# Altium PCB X98_CARRIER_V1R2_12082022.PcbDoc (part 2 of 10)
Units mm, origin at the board's own origin, x right, y up, seen from the top; angles counter-clockwise.
Board outline 100 x 72 mm, 4 copper layers (Top Layer, Layer 1, Layer 2, Bottom Layer), stack 1.543 mm thick; 772 components, 527 nets, 2344 pads, 1194 vias.
Unrouted connection lines stored in the file: 58.
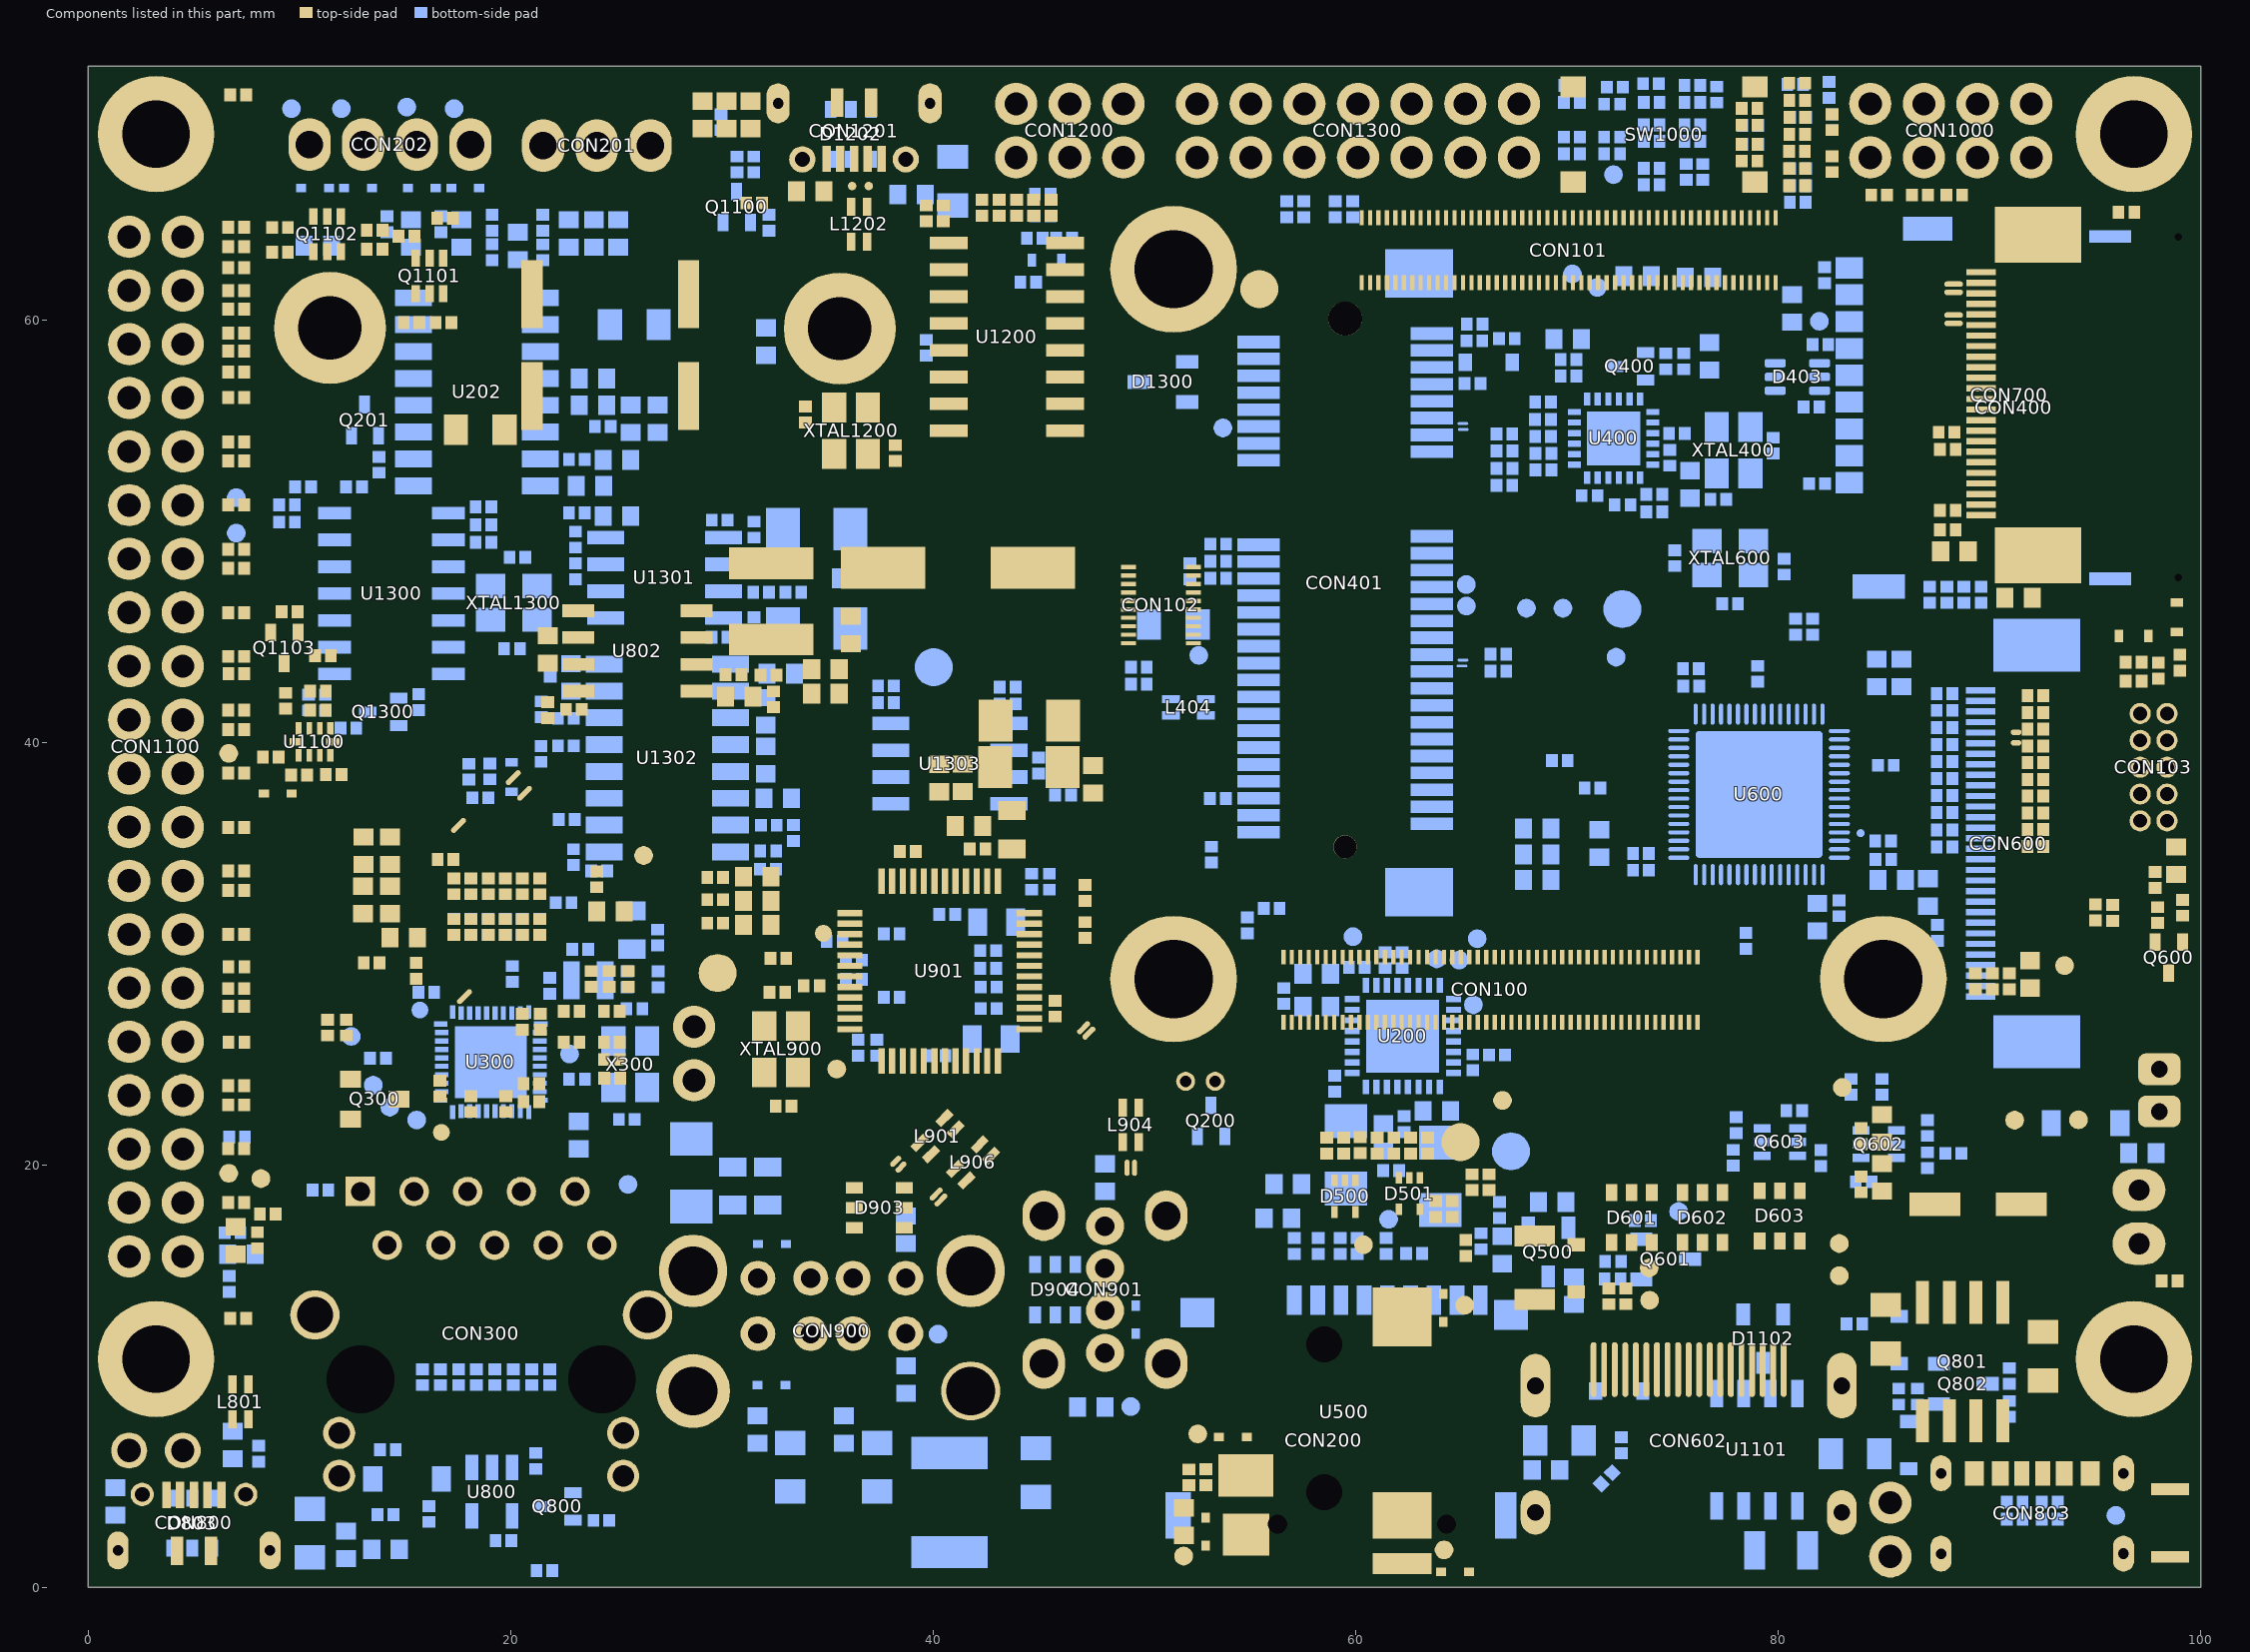
[diagram p4: the components of this part, seen from the top]

## Components (designator, comment, footprint, x,y, rotation, side; value= is the part's Value field where it differs from the comment) (continued)
R332 "4.7K" 0402_RES#1 17.323,31.267 r270 top
R333 "4.7K-NF" 0402_RES#1 17.323,31.262 r90 bottom
R334 "4.7K" 0402_RES#1 18.136,31.267 r270 top
R335 "4.7K-NF" 0402_RES#1 18.136,31.262 r90 bottom
R336 "4.7K" 0402_RES#1 20.574,31.267 r270 top
R337 "4.7K-NF" 0402_RES#1 20.574,31.262 r90 bottom
R338 "4.7K" 0402_RES#1 11.303,26.492 r90 top
R339 "10K" 0402_RES#1 12.192,26.492 r90 top
R340 "1.5K" 0402_RES#2 13.716,25.044 r0 bottom
R341 "4.7K" 0402_RES#2 19.741,31.262 r270 top
R342 "4.7K -NF" 0402_RES#2 19.736,31.267 r90 bottom
R343 "4.7K" 0402_RES#2 18.928,31.262 r270 top
R344 "4.7K -NF" 0402_RES#2 18.923,31.267 r90 bottom
R345 "0R" 0603_RES#3 13.03,34.874 r270 top
R346 "0R" 0603_RES#3 14.275,34.874 r270 top
R347 "0R-NF" 0603_RES#3 14.935,30.759 r180 top
R348 "0R" 0402_RES#2 13.411,29.566 r0 top
R400 "0402 330R 5%" 0402_RES#1 29.681,33.595 r180 top locked
R401 "0402 330R 5%" 0402_RES#1 29.681,32.533 r180 top locked
R402 "0402 330R 5%" 0402_RES#1 29.681,31.426 r180 top locked
R403 "15K" 0402_RES#1 82.004,58.849 r180 bottom
R404 "0R" 0402_RES#1 67.158,59.141 r180 bottom
R405 "47OHM" 0402_RES#1 81.572,55.852 r0 bottom
R407 "15K" 0402_RES#1 82.215,62.113 r90 bottom
R408 "47K" 0402_RES#1 53.487,49.367 r0 bottom
R409 "0402 330R 5%" 0402_RES#1 53.498,48.6 r180 bottom
R410 "100K" 0402_RES#1 65.64,59.827 r180 bottom
R411 "10K" 0402_RES#1 52.137,48.104 r270 bottom
R412 "0402 330R 5%" 0402_RES#1 65.614,58.989 r0 bottom
R413 "0402 330R 5%" 0402_RES#1 53.498,47.787 r180 bottom
R414 "0402 330R 5%" 0402_RES#1 65.525,56.961 r0 bottom
R415 "0R" 0402_RES#1 68.893,52.914 r180 bottom
R416 "0R" 0402_RES#1 68.893,53.706 r180 bottom
R417 "0R" 0402_RES#1 67.043,52.949 r0 bottom
R418 "0R" 0402_RES#1 67.043,53.767 r0 bottom
R419 "0R" 0402_RES#1 68.871,55.306 r180 bottom
R420 "0R" 0402_RES#1 68.881,56.124 r180 bottom
R421 "10K" 0402_RES#1 74.664,58.044 r270 bottom
R425 "49.9 OHM 1%  0402" 0402_RES#1 67.042,52.182 r180 bottom
R426 "49.9 OHM 1%  0402" 0402_RES#1 67.042,54.62 r180 bottom
R427 "10K" 0402_RES#1 75.559,58.033 r90 bottom
R428 "0R" 0402_RES#2 49.733,43.561 r0 bottom
R429 "0R" 0402_RES#2 49.733,42.748 r0 bottom
R500 "47K" 0402_RES#1 66.828,17.856 r90 bottom
R501 "47K" 0402_RES#1 58.243,16.154 r90 bottom
R502 "47K" 0402_RES#1 62.775,15.834 r180 bottom
R503 "47K" 0402_RES#1 65.952,16.381 r90 bottom
R504 "47K" 0402_RES#1 57.104,16.154 r90 bottom
R505 "47K" 0402_RES#1 59.281,16.154 r90 bottom
R506 "47K" 0402_RES#1 65.193,16.063 r90 top
R507 "22R %5 0402" 0402_RES#1 62.626,20.919 r270 top locked
R508 "22R %5 0402" 0402_RES#1 63.421,20.919 r270 top locked
R509 "22R %5 0402" 0402_RES#1 61.831,20.919 r270 top locked
R510 "22R %5 0402" 0402_RES#1 61.036,20.919 r270 top locked
R511 "22R %5 0402" 0402_RES#1 60.241,20.944 r270 top
R512 "22R %5 0402" 0402_RES#3 59.404,20.919 r270 top locked
R513 "22R %5 0402" 0402_RES#1 58.651,20.919 r270 top locked
R514 "100K" 0402_RES#1 60.051,16.165 r270 bottom
R600 "510K" 0402_RES#1 77.714,46.532 r0 bottom
R604 "0R" 0402_RES#1 87.56,30.981 r90 bottom
R605 "0R" 0402_RES#1 87.875,42.295 r0 bottom
R606 "0R" 0402_RES#1 92.186,42.187 r180 top locked
R607 "0R" 0402_RES#1 87.875,41.492 r0 bottom
R608 "0R" 0402_RES#1 92.186,41.394 r180 top locked
R609 "3K 1% 0402" 0402_RES#1 84.976,34.432 r0 bottom
R610 "3K 1% 0402" 0402_RES#1 84.976,35.347 r180 bottom
R611 "100K" 0402_RES#1 72.588,6.719 r90 bottom
R612 "100K" 0402_RES#1 71.869,5.183 r225 bottom
R619 "10K" 0402_RES#1 99.168,32.175 r270 top locked
R620 "0R" 0402_RES#1 72.803,13.788 r270 top locked
R621 "0R" 0402_RES#1 72.01,13.788 r270 top locked
R623 "100K" 0402_RES#1 72.168,14.615 r180 bottom
R624 "100K" 0402_RES#1 72.193,15.448 r180 bottom
R625 "10K" 0402_RES#1 87.097,21.742 r90 bottom
R626 "10K" 0402_RES#1 84.938,23.69 r90 bottom
R627 "100K" 0402_RES#1 73.588,17.34 r0 bottom
R628 "10K" 0402_RES#1 87.055,20.228 r270 bottom
R629 "10K" 0402_RES#1 84.049,19.177 r0 bottom
R630 "10K" 0402_RES#1 77.851,20.345 r270 bottom
R631 "10K" 0402_RES#1 82.041,20.319 r90 bottom
R632 "10K" 0402_RES#1 80.855,45.47 r90 bottom
R633 "10K" 0402_RES#1 78.028,21.873 r90 bottom
R634 "10K" 0402_RES#1 80.768,22.589 r180 bottom
R635 "0R" 0402_RES#1 87.875,40.675 r0 bottom
R636 "0R" 0402_RES#1 92.186,40.602 r180 top locked
R637 "0R" 0402_RES#1 87.875,39.873 r0 bottom
R638 "0R" 0402_RES#1 92.186,39.809 r180 top locked
R639 "0R" 0402_RES#1 87.875,39.07 r0 bottom
R640 "0R" 0402_RES#1 92.186,39.017 r180 top locked
R641 "0R" 0402_RES#1 87.875,38.267 r0 bottom
R642 "0R" 0402_RES#1 92.186,38.225 r180 top locked
R643 "0R" 0402_RES#1 87.875,37.464 r0 bottom
R644 "0R" 0402_RES#1 92.186,37.432 r180 top locked
R645 "0R" 0402_RES#1 87.875,36.661 r0 bottom
R646 "0R" 0402_RES#1 92.186,36.64 r180 top locked
R647 "0R" 0402_RES#3 87.875,35.869 r0 bottom
R648 "0R" 0402_RES#1 92.186,35.848 r180 top locked
R649 "0R" 0402_RES#3 87.875,35.067 r0 bottom
R650 "0R" 0402_RES#1 92.186,35.055 r180 top locked
R701 "0R" 0402_RES#1 88.036,53.852 r180 top locked
R702 "0R" 0402_RES#2 88.798,46.99 r270 bottom
R703 "0R-NF" 0402_RES#2 89.611,46.99 r270 bottom
R704 "0R" 0402_RES#2 87.986,46.99 r270 bottom
R705 "0R-NF" 0402_RES#2 87.173,46.99 r270 bottom
R800 "10K" 0402_RES#1 8.077,6.325 r90 bottom
R801 "1K" 0402_RES#1 14.058,3.426 r0 bottom
R802 "19K 0402" 0402_RES#1 14.173,6.502 r0 bottom
R803 "10K" 0402_RES#1 21.164,5.99 r270 bottom
R804 "10K-NF" 0402_RES#1 24.282,3.15 r0 bottom
R805 "10K" 0402_RES#1 19.66,2.235 r180 bottom
R806 "270 OHM" 0603_RES#1 97.255,20.565 r0 bottom
R807 "4.7K" 0402_RES#1 92.868,4.054 r180 bottom
R808 "4.7K" 0402_RES#1 91.191,4.013 r0 bottom
R809 "0402 2K2 1%" 0402_RES#1 85.686,9.039 r270 bottom
R810 "4.7K" 0402_RES#1 90.928,8.455 r270 bottom
R811 "4.7K" 0402_RES#1 92.856,3.209 r0 bottom
R812 "4.7K" 0402_RES#1 91.202,3.251 r180 bottom
R813 "0402 330R 5%" 0402_RES#1 30.552,43.185 r180 top
R814 "24.9K 1% 0402" 0402_RES#1 22.982,41.585 r0 top
R815 "4.7K" 0402_RES#1 86.575,9.039 r270 bottom
R816 "4.99K %1" 0603_RES#1 30.806,42.169 r180 top
R817 "7.87K 1% 0402" 0402_RES#1 21.721,41.524 r90 top
R818 "4.7K" 0402_RES#1 90.969,10.004 r90 bottom
R819 "10K" 0805#2 83.642,6.325 r0 bottom
R820 "1K" 0402_RES#1 83.908,19.072 r90 top
R821 "1K" 0402_RES#2 21.59,0.787 r0 bottom
R900 "10K" 0402_RES#1 38.786,34.849 r0 top
R901 "10K" 0402_RES#1 47.168,32.868 r90 top
R902 "100K" 0402_RES#1 47.168,31.115 r90 top
R903 "100K" 0402_RES#1 45.517,33.401 r90 bottom
R904 "100K" 0402_RES#1 44.679,33.401 r90 bottom
R905 "0R-NF" 0402_RES#1 34.239,28.499 r0 top
R906 "2.7K" 0402_RES#1 45.791,27.406 r270 top
R907 "0R-NF" 0402_RES#2 32.664,29.769 r0 top
R908 "0R-NF" 0402_RES#2 35.331,30.582 r180 bottom
R909 "0R-NF" 0402_RES#2 36.246,29.693 r180 bottom
R910 "0R" 0402_RES#2 36.246,28.778 r0 bottom
R1000 "4.7K" 0402_RES#1 72.259,70.997 r0 bottom
R1001 "4.7K" 0402_RES#1 75.621,67.007 r270 bottom
R1002 "4.7K" 0402_RES#1 70.232,68.635 r0 bottom
R1003 "100K" 0402_RES#1 72.144,70.235 r180 bottom
R1004 "100K" 0402_RES#1 76.455,66.996 r90 bottom
R1005 "100K" 0402_RES#1 70.243,67.88 r180 bottom
R1006 "4.7K" 0402_RES#1 74.003,67.162 r0 bottom
R1007 "4.7K" 0402_RES#1 75.933,68.423 r0 bottom
R1008 "4.7K" 0402_RES#1 74.003,69.219 r0 bottom
R1009 "100K" 0402_RES#1 74.014,66.411 r180 bottom
R1010 "100K" 0402_RES#1 75.944,69.26 r180 bottom
R1011 "100K" 0402_RES#1 74.014,68.464 r180 bottom
R1012 "4.7K" 0402_RES#1 80.937,67.141 r0 bottom
R1013 "4.7K" 0402_RES#1 78.676,69.182 r0 bottom
R1014 "4.7K" 0402_RES#1 80.804,71.13 r0 bottom
R1015 "4.7K" 0402_RES#1 72.132,68.635 r0 bottom
R1016 "4.7K" 0402_RES#1 70.243,71.073 r0 bottom
R1017 "4.7K" 0402_RES#1 75.933,71.073 r0 bottom
R1018 "100K" 0402_RES#1 82.439,70.883 r90 bottom
R1019 "4.7K" 0402_RES#1 80.95,69.564 r0 bottom
R1020 "100K" 0402_RES#1 72.144,67.88 r180 bottom
R1021 "100K" 0402_RES#1 70.243,70.311 r180 bottom
R1022 "100K" 0402_RES#1 75.944,70.311 r180 bottom
R1023 "4.7K" 0402_RES#1 78.676,68.296 r0 bottom
R1024 "4.7K" 0402_RES#1 80.925,65.541 r0 bottom
R1025 "100K" 0402_RES#1 82.566,69.354 r90 bottom
R1026 "4.7K" 0402_RES#1 74.003,70.27 r0 bottom
R1027 "100K" 0402_RES#1 82.525,69.354 r90 top locked
R1028 "100K" 0402_RES#1 82.525,67.368 r90 top locked
R1029 "100K" 0402_RES#1 73.971,71.164 r0 bottom
R1030 "4.7K" 0402_RES#1 88.341,65.892 r180 top locked
R1031 "4.7K" 0402_RES#1 86.715,65.892 r180 top locked
R1032 "4.7K" 0402_RES#1 84.785,65.892 r180 top locked
R1033 "4.7K" 0402_RES#1 78.639,70.041 r0 top locked
R1034 "4.7K" 0402_RES#3 80.903,70.372 r0 top locked
R1035 "4.7K" 0402_RES#1 80.886,67.182 r0 top locked
R1036 "4.7K" 0402_RES#1 80.899,69.605 r0 top locked
R1037 "100K" 0402_RES#1 78.65,69.199 r180 top locked
R1038 "100K" 0402_RES#3 80.914,71.226 r180 top locked
R1039 "100K" 0402_RES#1 80.897,67.95 r180 top locked
R1040 "100K" 0402_RES#1 80.912,68.767 r180 top locked
R1041 "4.7K" 0402_RES#1 78.639,67.541 r0 top locked
R1042 "4.7K" 0402_RES#1 80.886,66.374 r0 top locked
R1043 "100K" 0402_RES#1 78.65,68.296 r180 top locked
R1044 "100K" 0402_RES#1 80.948,66.374 r180 bottom
R1100 "1K" 0402_RES#1 31.52,67.354 r90 bottom
R1101 "10K" 0402_RES#1 15.298,59.893 r0 top
R1102 "10K" 0402_RES#1 15.062,63.932 r180 top
R1103 "10K" 0402_RES#1 16.891,64.794 r180 top
R1104 "10K" 0402_RES#1 16.822,59.852 r180 top
R1105 "10K" 0402_RES#1 32.239,64.591 r90 bottom
R1106 "10K" 0402_RES#1 13.548,64.267 r0 top
R1107 "10K" 0402_RES#1 13.548,63.36 r0 top
R1108 "10K" 0402_RES#1 9.075,63.192 r180 top
R1109 "10K" 0402_RES#1 9.075,64.352 r180 top
R1110 "0402 330R 5%" 0402_RES#1 7.006,18.191 r180 top locked
R1111 "0402 330R 5%" 0402_RES#1 7.006,20.75 r180 top locked
R1112 "0402 330R 5%" 0402_RES#1 7.006,23.732 r180 top locked
R1113 "0402 330R 5%" 0402_RES#1 6.995,22.859 r0 top locked
R1114 "0402 330R 5%" 0402_RES#1 7.006,25.83 r0 top locked
R1115 "0402 330R 5%" 0402_RES#1 6.995,27.523 r0 top locked
R1116 "0402 330R 5%" 0402_RES#1 7.017,29.347 r180 top locked
R1117 "0402 330R 5%" 0402_RES#1 6.995,28.37 r0 top locked
R1118 "0402 330R 5%" 0402_RES#1 7.006,30.889 r180 top locked
R1119 "0402 330R 5%" 0402_RES#1 7.006,33.886 r180 top locked
R1120 "0402 330R 5%" 0402_RES#1 6.995,33.018 r0 top locked
R1121 "0402 330R 5%" 0402_RES#1 6.995,35.99 r0 top locked
R1122 "10K" 0402_RES#1 8.634,39.32 r0 top locked
R1123 "0402 330R 5%" 0402_RES#1 7.006,38.53 r180 top locked
R1124 "0402 330R 5%" 0402_RES#1 7.006,41.506 r180 top locked
R1125 "0402 330R 5%" 0402_RES#1 6.995,40.633 r0 top locked
R1126 "10K" 0402_RES#1 9.362,41.971 r270 top locked
R1127 "0402 330R 5%" 0402_RES#1 7.006,44.047 r180 top locked
R1128 "0402 330R 5%" 0402_RES#1 6.998,43.273 r0 top locked
R1129 "0402 330R 5%" 0402_RES#1 6.995,48.258 r0 top locked
R1130 "0402 330R 5%" 0402_RES#1 7.006,49.118 r180 top locked
R1131 "0402 330R 5%" 0402_RES#1 6.995,46.15 r0 top locked
R1132 "240 R" 0402_RES#1 9.973,38.477 r0 top locked
R1133 "0402 330R 5%" 0402_RES#1 7.006,51.23 r180 top locked
R1134 "0402 330R 5%" 0402_RES#1 7.006,54.209 r180 top locked
R1135 "0402 330R 5%" 0402_RES#1 6.995,53.339 r0 top locked
R1136 "0402 330R 5%" 0402_RES#1 7.006,56.31 r180 top locked
R1137 "0402 330R 5%" 0402_RES#1 6.995,57.555 r0 top locked
R1138 "0402 330R 5%" 0402_RES#1 7.006,59.358 r180 top locked
R1139 "0402 330R 5%" 0402_RES#1 7.006,58.499 r180 top locked
R1140 "0402 330R 5%" 0402_RES#1 6.995,60.526 r0 top locked
R1141 "0402 330R 5%" 0402_RES#1 7.006,62.457 r180 top locked
R1142 "0402 330R 5%" 0402_RES#1 6.995,61.411 r0 top locked
R1143 "0402 330R 5%" 0402_RES#1 6.995,63.493 r0 top locked
R1144 "0402 330R 5%" 0402_RES#1 6.995,64.404 r0 top locked
R1145 "10K" 0402_RES#1 9.525,46.203 r0 top
R1146 "10K" 0402_RES#1 11.1,44.12 r0 top
R1200 "1K" 0402_RES#1 30.724,67.355 r90 bottom
R1201 "1K" 0402_RES#1 29.933,69.364 r270 bottom
R1202 "162 OHM 1% 0402" 0402_RES#1 45.179,64.897 r0 bottom
R1203 "162 OHM 1% 0402" 0402_RES#1 45.19,65.981 r180 bottom
R1204 "162 OHM 1% 0402" 0402_RES#1 44.809,63.895 r180 bottom
R1205 "162 OHM 1% 0402" 0402_RES#1 44.496,61.759 r0 bottom
R1206 "1K" 0402_RES#1 39.686,65.046 r270 top
R1209 "0402 2K2 1%" 0402_RES#1 40.453,65.034 r90 top
R1210 "1K" 0402_RES#1 46.198,63.893 r180 bottom
R1300 "100K" 0402_RES#1 11.198,41.891 r270 bottom
R1301 "100K" 0402_RES#1 10.402,41.895 r270 bottom
R1302 "100K" 0402_RES#1 12.319,40.691 r180 bottom
R1303 "62 OHM" 1206 34.482,45.394 r180 bottom
R1304 "56K" 0402_RES#1 18.701,51.123 r0 bottom
R1305 "56K" 0402_RES#1 18.701,50.284 r0 bottom
R1306 "62 OHM" 1206 34.482,50.094 r0 bottom
R1307 "100K" 0402_RES#1 22.657,36.373 r180 bottom
R1308 "56K" 0402_RES#1 19.02,38.62 r90 bottom
R1309 "0R" 0402_RES#3 59.016,65.231 r90 bottom
R1310 "100K" 0402_RES#1 18.004,38.62 r270 bottom
R1311 "0R" 0402_RES#1 57.568,65.231 r90 bottom
R1312 "56K" 0402_RES#1 22.948,34.574 r270 bottom
R1313 "0R" 0402_RES#3 59.829,65.231 r90 bottom
R1314 "100K" 0402_RES#1 24.193,33.939 r180 bottom
R1315 "0R" 0402_RES#1 56.756,65.231 r90 bottom
R1316 "56K" 0402_RES#3 43.521,41.843 r0 bottom
R1317 "100K" 0402_RES#3 43.521,42.643 r0 bottom
R1318 "100K" 0402_RES#1 18.712,49.498 r180 bottom
R1319 "10K" 0402_RES#1 15.621,41.91 r270 bottom
R1320 "XR" 0603_RES#1 40.279,38.32 r90 top locked
R1321 "10R" 0402_RES#1 46.17,40.339 r0 bottom
R1322 "10K" 0402_RES#1 46.17,39.456 r0 bottom
R1323 "62 OHM" 1206 44.55,41.029 r180 top locked
R1324 "0R" 0402_RES#1 45.015,38.897 r90 bottom
R1325 "62 OHM" 1206 44.524,38.829 r0 top locked
R1326 "10R" 0402_RES#1 46.139,37.487 r0 bottom
R1327 "10K" 0402_RES#1 46.15,38.332 r180 bottom
R1328 "XR" 0603_RES#1 41.402,38.326 r90 top locked
R1329 "100K" 0402_RES#1 29.882,44.994 r180 bottom
R1330 "100K" 0402_RES#1 31.485,45.556 r270 bottom
R1331 "4.7K" 0402_RES#1 18.563,37.4 r180 bottom
SW1000 "SWITCH" "BUTTON 6X6" 78.894,66.523 r180 top locked
SW1001 "SWITCH" "3.00mm x 2.00mm SWITCH" 98.552,3.048 r90 top
TP100 "TEST POINT 35" TESTPOINT_35MIL 69.811,46.352 r90 bottom
TP101 "TEST POINT 35" TESTPOINT_35MIL 68.084,46.352 r90 bottom
TP102 "TEST POINT 35" TESTPOINT_35MIL 7.001,51.585 r270 bottom
TP103 "TEST POINT 35" TESTPOINT_35MIL 7.001,49.909 r270 bottom
TP104 "TEST POINT 35" TESTPOINT_35MIL 6.646,19.605 r90 top locked
TP105 "TEST POINT 35" TESTPOINT_35MIL 8.17,19.351 r90 top locked
TP106 "TEST POINT 35" TESTPOINT_35MIL 82.892,14.754 r90 top
TP107 "TEST POINT 35" TESTPOINT_35MIL 82.892,16.278 r90 top
TP108 "TEST POINT 35" TESTPOINT_35MIL 91.198,22.12 r90 top
TP111 "TEST POINT 35" TESTPOINT_35MIL 83.039,23.666 r90 top locked
TP112 "TEST POINT 35" TESTPOINT_35MIL 72.325,44.034 r90 bottom
TP114 "TEST POINT 35" TESTPOINT_35MIL 94.219,22.138 r90 top
TP115 "TEST POINT 35" TESTPOINT_35MIL 52.57,44.123 r90 bottom
TP117 "TEST POINT 15" TESTPOINT_15#1 70.259,62.173 r90 bottom
TP118 "TEST POINT 15" TESTPOINT_15#1 71.441,61.54 r90 bottom
TP127 "TEST POINT 35" TESTPOINT_35MIL 66.95,23.054 r90 top locked
TP200 "TEST POINT 15" TESTPOINT_15#1 65.164,13.357 r90 top locked
TP201 "TEST POINT 15" TESTPOINT_15#1 51.855,1.483 r90 top locked
TP202 "TEST POINT 15" TESTPOINT_15#1 52.525,7.267 r90 top
TP203 "TEST POINT 15" TESTPOINT_15#1 63.839,29.752 r90 bottom
TP204 "TEST POINT 15" TESTPOINT_15#1 64.896,29.697 r90 bottom
TP205 "TEST POINT 15" TESTPOINT_15#1 65.752,30.705 r90 bottom
TP206 "TEST POINT 15" TESTPOINT_15#1 64.184,1.772 r90 top locked
TP207 "TEST POINT 15" TESTPOINT_15#1 65.574,27.58 r90 bottom
TP208 "TEST POINT 15" TESTPOINT_15#1 59.871,30.804 r90 bottom
TP209 "TEST POINT 15" TESTPOINT_15#1 15.079,70.075 r90 bottom
TP210 "TEST POINT 15" TESTPOINT_15#1 17.314,69.998 r90 bottom
TP211 "TEST POINT 15" TESTPOINT_15#1 9.618,69.998 r90 bottom
TP212 "TEST POINT 15" TESTPOINT_15#1 11.98,69.998 r90 bottom
TP300 "TEST POINT 35" TESTPOINT_15#1 22.784,25.248 r90 bottom
TP301 "TEST POINT 35" TESTPOINT_15#2 17.526,36.068 r315 top
TP302 "TEST POINT 35" TESTPOINT_15#3 15.697,27.33 r270 bottom
TP303 "TEST POINT 35" TESTPOINT_15#4 20.117,38.329 r45 top
TP304 "TEST POINT 35" TESTPOINT_15#3 16.713,21.539 r180 top
TP305 "TEST POINT 35" TESTPOINT_15#4 20.65,37.592 r225 top
TP306 "TEST POINT 35" TESTPOINT_15#4 17.805,27.965 r45 top
TP307 "TEST POINT 35" TESTPOINT_15#1 14.275,22.733 r90 bottom
TP308 "TEST POINT 35" testpoint_15#1 13.487,23.774 r270 bottom
TP309 "TEST POINT 35" testpoint_15#1 26.289,34.646 r270 top
TP310 "TEST POINT 35" testpoint_15#1 15.545,22.123 r270 bottom
TP311 "TEST POINT 35" testpoint_15#1 25.552,19.075 r270 bottom
TP312 "TEST POINT 35" testpoint_15#1 12.446,26.086 r270 bottom
TP404 "TEST POINT 15" TESTPOINT_15#1 53.712,54.885 r90 bottom
TP405 "TEST POINT 15" TESTPOINT_15#1 81.953,59.938 r90 bottom
TP406 "TEST POINT 15" TESTPOINT_15#5 65.077,55.093 r270 bottom
TP407 "TEST POINT 15" TESTPOINT_15#5 65.099,54.813 r270 bottom
TP408 "TEST POINT 15" TESTPOINT_15#1 65.236,47.471 r90 bottom
TP409 "TEST POINT 15" TESTPOINT_15#1 65.244,46.453 r90 bottom
TP410 "TEST POINT 35" testpoint_15#2 65.081,43.893 r90 bottom
TP411 "TEST POINT 35" testpoint_15#2 65.033,43.613 r90 bottom
TP412 "TEST POINT 15" TESTPOINT_15#6 47.117,26.492 r135 top
TP413 "TEST POINT 15" TESTPOINT_15#6 47.371,26.238 r135 top
TP500 "TEST POINT 15" TESTPOINT_15#1 61.558,17.422 r90 bottom
TP502 "TEST POINT 15" TESTPOINT_15#1 60.371,16.219 r90 top
TP600 "TEST POINT 15" TESTPOINT_15#7 91.266,40.479 r90 top locked
TP601 "TEST POINT 15" TESTPOINT_15#7 91.263,39.978 r90 top locked
TP602 "TEST POINT 15" TESTPOINT_15#8 83.906,35.703 r90 bottom
TP603 "TEST POINT 15" TESTPOINT_15#1 75.287,17.793 r90 bottom
TP605 "TEST POINT 35" TESTPOINT_35MIL 73.916,13.589 r90 top locked
TP606 "TEST POINT 35" TESTPOINT_35MIL 73.895,15.123 r90 top locked
TP700 "TEST POINT 15" TESTPOINT_15#2 88.31,61.695 r90 top locked
TP701 "TEST POINT 15" TESTPOINT_15#2 88.31,61.303 r90 top locked
TP702 "TEST POINT 15" TESTPOINT_15#2 88.31,60.231 r90 top locked
TP703 "TEST POINT 15" TESTPOINT_15#2 88.31,59.835 r90 top locked
TP808 "TEST POINT 35" TESTPOINT_35MIL 93.565,29.435 r90 top locked
TP900 "TEST POINT 15" TESTPOINT_15#9 38.219,20.169 r45 top
TP901 "TEST POINT 15" TESTPOINT_15#10 49.174,19.863 r90 top
TP902 "TEST POINT 15" TESTPOINT_15#10 49.53,19.863 r90 top
TP903 "TEST POINT 15" TESTPOINT_15#9 38.472,19.898 r45 top
TP905 "TEST POINT 15" TESTPOINT_15#10 40.132,18.618 r45 top
TP906 "TEST POINT 15" TESTPOINT_15#1 49.352,8.56 r90 bottom
TP907 "TEST POINT 15" TESTPOINT_15#10 40.361,18.339 r45 top
TP908 "TEST POINT 15" TESTPOINT_15#1 40.221,11.986 r90 bottom
TP909 "TEST POINT 15" TESTPOINT_15#1 35.433,24.536 r90 top
TP910 "TEST POINT 15" testpoint_15#3 34.798,30.963 r90 top
TP1000 "TEST POINT 15" TESTPOINT_15#1 72.203,66.874 r90 bottom
TP1001 "TEST POINT 15" TESTPOINT_15#1 95.987,3.404 r90 bottom
TP1100 "TEST POINT 15" TESTPOINT_15#1 6.646,39.479 r90 top locked
TP1201 "TEST POINT 15" TESTPOINT_15#11 36.947,66.338 r90 top
TP1202 "TEST POINT 15" TESTPOINT_15#11 36.16,66.338 r180 top
U200 "IC-SGTL5000XNAA3/R2" QFN32 62.228,26.094 r180 bottom
U201 "MIC" "CMEJ-0415-42-P CON" 52.395,23.89 r180 top locked
U202 "PAM8403" SO-16 18.399,56.595 r270 bottom locked
U300 "GIGABIT ETHERNET PHY" Quad40 19.05,24.867 r90 bottom locked
U400 "9FGV0241AKLF" 9FGV0241AKLF 72.21,54.392 r180 bottom locked
U500 "MICRO SD" L-KLS1-TF-003-H1.85-R 56.3,3 r180 bottom locked
U600 "Single-Channel MIPI® DSI Bridge to LVDS/HDMI" IC-LT8912B 79.097,37.539 r90 bottom
U601 "PTC" 0ZCJ0025AF2E 68.473,13.628 r90 top
U800 "STMPS2151STR" IC-STMPS2151STR(ERDEM) 19.107,4.687 r180 bottom
U802 "NCP3170ADR2G" IC-NCP3170ADR2G 25.48,44.582 r0 top
U901 "FE1.1" LQFP48 40.305,29.173 r270 top locked